# Altium PCB 机器人.PcbDoc (part 13 of 14)
Units mm, origin at the board's own origin, x right, y up, seen from the top; angles counter-clockwise.
Board outline 84 x 74 mm, 2 copper layers (Top Layer, Bottom Layer); 122 components, 143 nets, 23128 pads, 621 vias.
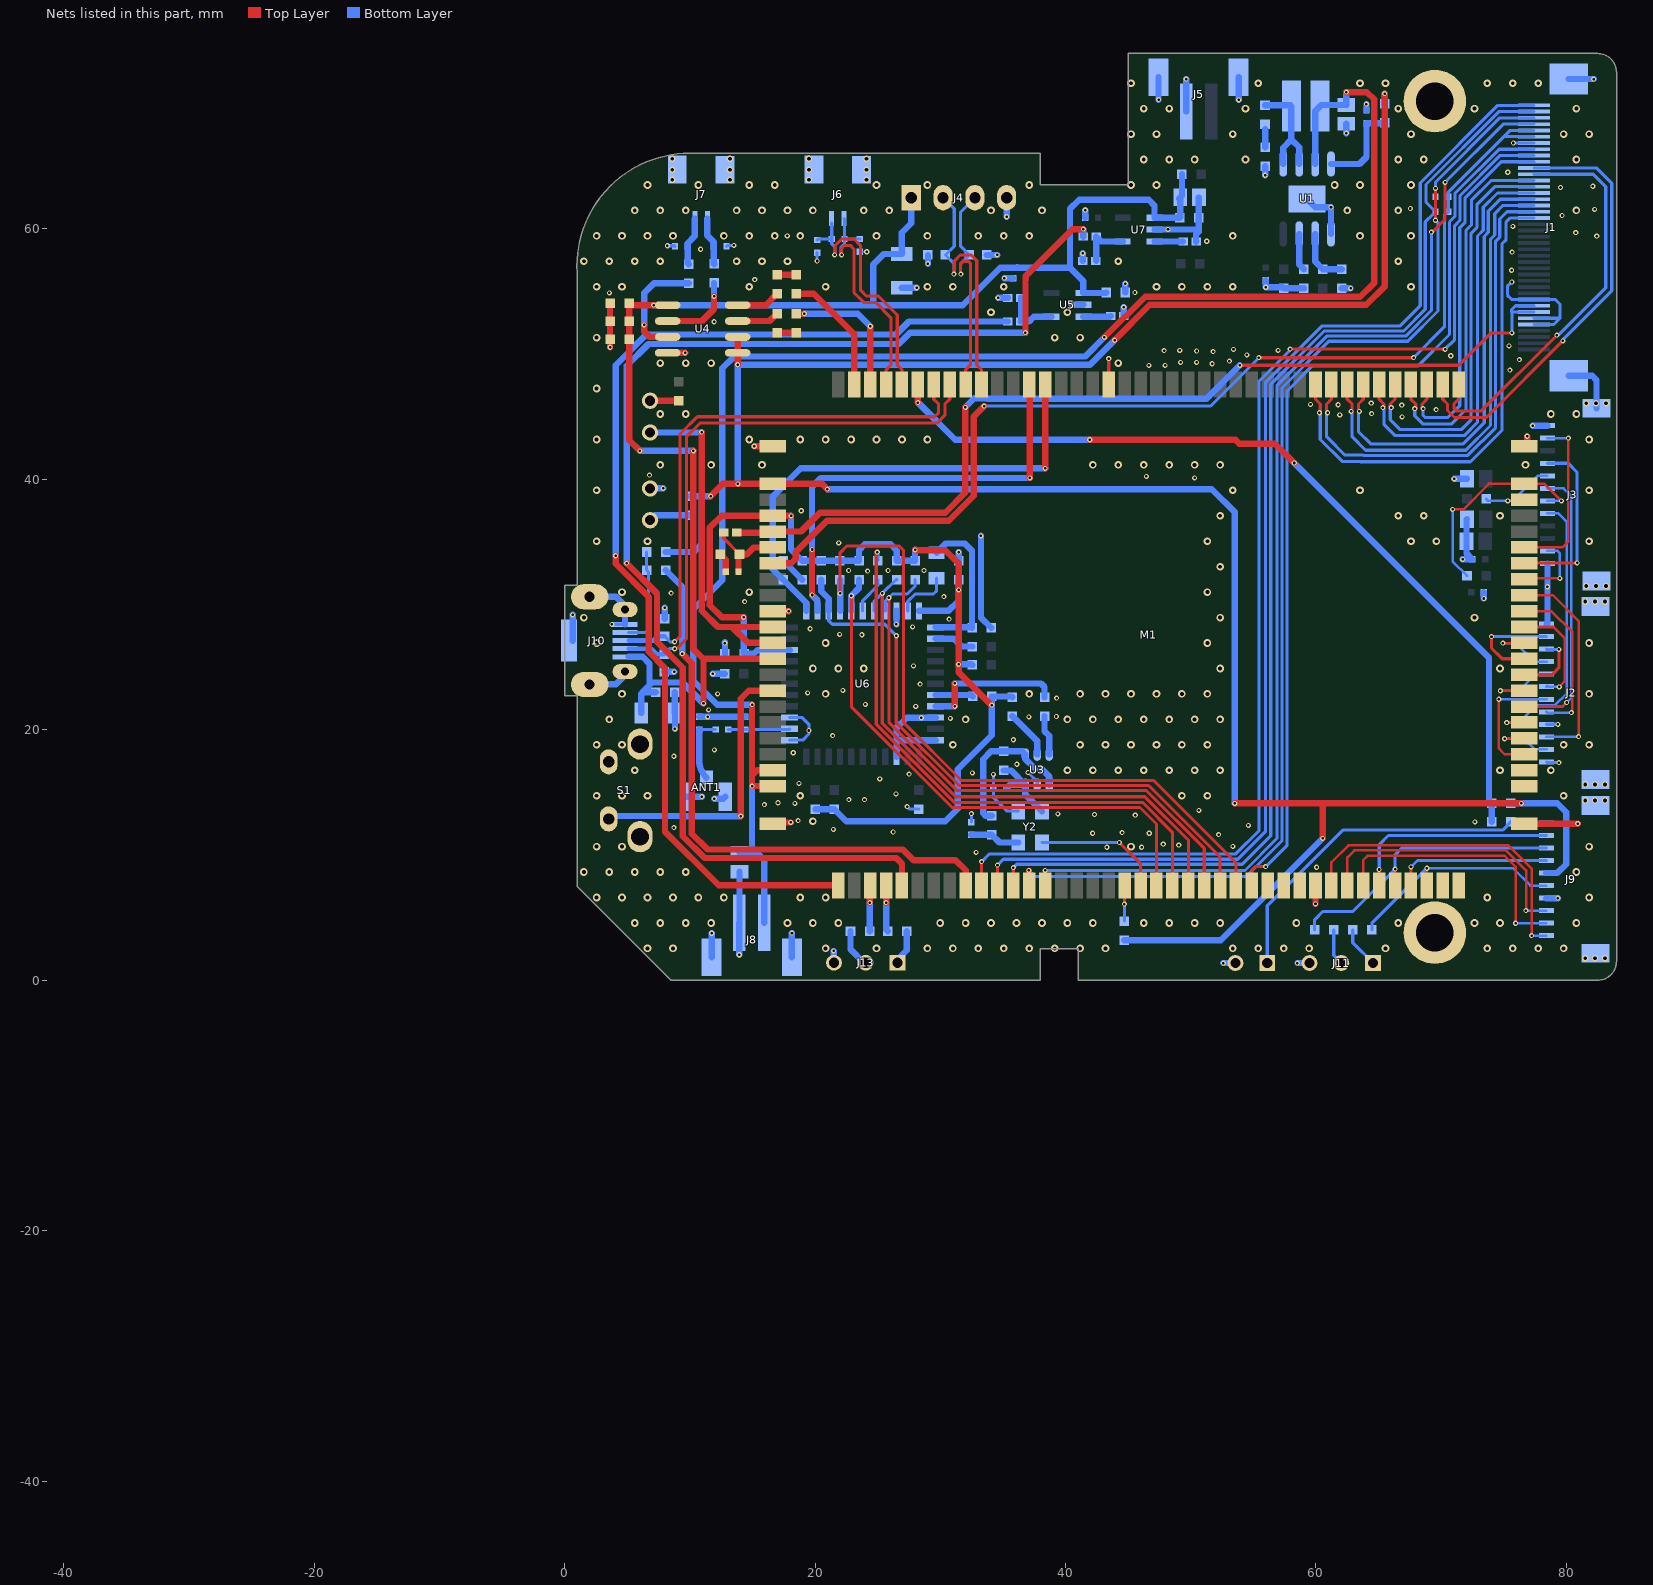
[diagram p13: the nets of this part, all layers, seen from the top]

## Via types
v1: diameter 0.406, hole 0.203, Top Layer to Bottom Layer, tented both sides, 327 vias
v2: diameter 0.61, hole 0.305, Top Layer to Bottom Layer, tented both sides, 264 vias
v3: diameter 0.508, hole 0.305, Top Layer to Bottom Layer, tented both sides, 30 vias

## Nets (pads, with @x,y where several pads share a name; then routed paths per layer and width w, separated by ;. In a path a pad name is that pad's centre, name@x,y a point inside that pad or via, vN(x,y) a via of type N, cw(c..) or ccw(c..) an arc to the next point about the centre after c; other vN are vias at no path point) (continued)
GND: ANT1.2 ANT1.3 C10.1 C11.2 C12.2 C13.2 C14.1 C15.2 C16.2 C17.2 C18.2 C19.2 C20.1 C22.2 C23.1 C24.2 C27.2 C29.2 C30.2 C31.2 C32.1 C33.2 C34.2 C35.2 C36.2 C37.1 C38.1 C40.2 C41.2 C42.2 C43.2 C44.1 C45.1 C46.1 C47.1 C48.2 C49.2 D6.2 D7.2 D11.K D12.1 D13.1 J1.5 J1.6 J1.9 J1.34 J1.41 J1.42 J2.1 J2.9 J2.12 J2.13 J2.14 J3.1 J3.12 J3.13 J3.14 J4.4 J5.1 J5.3 J5.4 J6.3 J6.4 J7.3 J7.4 J8.2 J8.3 J8.4 J9.7 J9.11 J9.12 J10.5 J10.6 J10.7 J10.8 J10.9 J10.10 J11.3 J12.2 J13.3 M1.9 M1.40 M1.51 M1.103 M1.121 M1.122 M1.123 M1.124 pad.0 R16.1 R18.1 R27.2 R30.1 R31.2 R37.2 RT2.1 RT3.1 RT6.1 RT7.1 S1.0 S1.1 U1.5 U1.9 U3.2 U4.8 U5.2 U6.1 U6.3 U6.20 U6.31 U6.33 U6.36 U7.2 Y2.2 Y2.4 | length 169
  Top Layer w0.254: M1.103@43.454,47.57 v1(43.454,49.632) ; v1(44.298,10.998) 45.994,9.302 M1.40@45.994,7.57
  Top Layer w0.508: v1(3.632,50.54) C34.2@3.632,51.187 C29.2@3.632,52.61 C33.2@3.632,54.057 ; U4.8@8.235,50.095 v1(9.633,50.095) ; R30.1@12.446,34.011 12.878,33.579 C40.2@12.878,32.614 ; v1(15.15,42.635) M1.121@16.629,42.635 ; M1.122@16.629,12.505 16.629,12.522 16.705,12.598 v1(18.059,12.598) ; M1.9@16.629,29.475 v1(17.896,29.475) ; v1(59.964,6.101) M1.51@59.964,7.57 ; M1.123@76.629,12.505 v1(80.907,12.505) ; M1.124@76.629,42.635 76.86,42.866 v1(76.86,43.434)
  Bottom Layer w0.152: C27.2@23.571,58.168 v1(24.13,58.168)
  Bottom Layer w0.254: v1(3.787,28.42) J10.5@4.83,28.42 ; v1(8.217,58.648) 8.771,58.648 C24.2@8.821,58.598 ; C30.2@12.936,58.598 13.012,58.673 v1(13.526,58.673) ; U6.1@17.978,19.17 19.018,19.17 19.507,19.66 v1(19.507,19.939) 19.507,20.447 18.984,20.97 U6.3@17.978,20.97 ; C23.1@20.171,58.083 20.171,57.433 v1(20.173,57.431) ; v1(27.356,13.868) 27.558,13.666 R27.2@28.29,13.666 ; C22.2@32.487,12.624 v1(32.487,13.31) ; v1(34.239,16.434) C31.2@34.239,15.303 34.239,14.605 35.344,13.5 Y2.2@36.225,13.5 ; v1(37.008,16.586) 37.744,15.85 U3.2@37.744,15.621 ; Y2.4@38.125,11 44.296,11 v1(44.298,10.998) ; v1(75.641,55.753) 75.286,55.397 75.286,54.703 75.631,54.358 J1.9@77.405,54.358 79.119,54.358 79.477,54 79.477,52.858 ; v1(75.768,66.853) 75.774,66.858 J1.34@77.405,66.858 ; J1.5@77.405,52.358 78.977,52.358 79.477,52.858 ; J1.6@77.405,52.858 79.477,52.858 ; J2.12@78.41,17.435 78.471,17.374 v1(79.4,17.374) ; J2.9@78.41,20.435 v1(79.311,20.435)
  Bottom Layer w0.508: J10.10@0.65,27.12 v1(0.65,29.17) ; J10.8@2.305,23.62 4.105,23.62 J10.6@5.13,24.645 ; J10.9@2.305,30.62 4.105,30.62 4.83,29.895 J10.7@4.83,29.595 J10.5@4.83,28.42 ; D11.K@6.833,39.27 v1(7.872,39.27) ; D13.1@7.95,24.625 v1(8.75,24.625) ; D12.1@7.988,28.867 v1(7.988,29.731) ; C44.1@8.814,22.987 8.814,21.34 C42.2@8.818,21.336 v1(8.818,20.062) ; ANT1.3@9.828,14.655 10.972,14.655 v1(10.973,14.656) ; C37.1@10.744,21.031 v1(11.43,21.031) C38.1@14.453,21.031 ; J8.4@11.751,1.847 v1(11.751,3.75) ; v1(11.836,24.46) R31.2@12.796,24.461 ; v1(11.963,14.503) 12.677,14.503 ANT1.2@12.828,14.655 ; v1(12.802,26.924) 12.802,26.985 12.809,26.993 C41.2@12.809,26.061 ; v1(13.951,2.032) J8.2@13.951,4.597 13.97,4.616 C36.2@13.97,8.66 ; R37.2@17.47,33.503 18.994,31.979 C49.2@18.994,31.967 ; J8.3@18.151,1.847 18.151,3.749 v1(18.161,3.759) ; v1(21.488,2.337) 21.488,1.422 J13.3@21.514,1.397 ; U6.36@26.503,17.845 26.503,19.152 ; v1(26.503,28.412) U6.20@26.503,29.495 ; C43.2@26.924,55.292 v1(28.114,55.292) ; v1(29.019,57.213) D6.2@29.019,57.912 ; U6.33@29.628,19.17 26.521,19.17 26.503,19.152 ; U6.31@29.628,20.97 27.32,20.97 26.503,20.153 26.503,19.152 ; C45.1@31.465,33.491 31.465,34.183 v1(31.471,34.188) ; v1(33.249,35.484) 33.249,28.956 C46.1@34.061,28.143 ; D7.2@33.718,57.912 v1(34.544,57.912) ; v1(34.62,54.483) RT2.1@35.408,54.483 ; v1(35.128,56.058) C32.1@35.827,56.058 ; v1(35.306,60.96) J4.4@35.306,62.484 ; v1(40.5,53.937) U5.2@41.427,53.937 ; RT6.1@41.377,57.447 v1(41.377,58.039) ; C47.1@41.58,60.884 v1(41.58,61.493) ; RT3.1@44.653,53.035 v1(44.653,53.746) ; C35.2@44.78,54.915 v1(44.78,55.626) ; U7.2@47.112,59.949 v1(48.184,59.949) 50.471,59.949 50.642,59.778 ; v1(47.432,70.317) J5.3@47.432,72.117 ; J5.1@49.632,69.367 v1(49.632,71.958) ; RT7.1@50.444,58.996 50.419,58.971 50.419,59.555 50.642,59.778 ; C10.1@50.661,62.501 50.642,62.483 C48.2@50.642,60.876 50.642,59.778 ; v1(52.603,1.372) J12.2@53.569,1.372 ; v1(53.832,70.298) J5.4@53.832,72.117 ; v1(55.944,64.275) C16.2@55.944,64.999 ; C17.2@55.994,55.893 v1(55.994,55.334) 57.34,55.334 C20.1@57.417,55.258 59.029,55.258 R16.1@59.042,55.245 ; v1(58.522,1.372) J11.3@59.487,1.372 ; U1.9@59.296,62.382 59.944,61.735 v1(61.201,61.735) U1.5@61.201,59.588 ; R18.1@62.065,55.245 v1(62.763,55.245) ; v1(62.433,67.64) C14.1@62.433,68.389 ; C15.2@64.033,69.444 v1(64.033,69.952) ; v1(71.044,40.03) C19.2@72.06,40.03 ; v1(71.704,33.604) C11.2@72.492,33.604 72.021,34.075 C18.2@72.021,35.052 72.021,36.767 C12.2@72.058,36.805 ; v1(73.406,30.48) C13.2@73.406,30.988 ; v1(77.298,44.278) J3.1@78.486,44.278 ; J9.7@78.401,6.559 79.318,6.559 v1(79.324,6.553) ; J2.1@78.41,28.435 78.486,28.511 v1(78.486,31.42) J3.12@78.486,33.278 ; J1.42@80.188,48.258 82.067,48.258 82.406,47.92 J3.13@82.406,45.678 ; J1.41@80.188,71.958 v1(82.169,71.958)
  other v1: 60.046,9.017 32.868,10.211 43.307,10.617 46.076,10.617 53.365,10.693 49.047,10.795 47.803,10.871 52.222,11.633 42.164,11.735 46.685,11.735 44.526,11.786 26.238,11.836 21.463,12.04 8.738,12.193 54.61,12.37 72.695,12.649 18.644,12.751 45.568,13.183 42.316,13.233 39.395,13.284 50.648,13.564 15.951,14.021 18.39,14.122 17.043,14.173 22.708,14.427 23.952,14.427 26.467,14.884 18.72,15.723 25.171,16.078 27.508,16.459 32.563,16.561 36.119,17.247 8.738,17.882 18.263,18.161 11.969,18.391 35.839,19.202 21.412,19.533 30.81,20.904 28.499,20.955 37.084,21.032 39.268,21.057 11.501,21.59 28.042,21.869 24.028,22.022 39.294,22.53 12.217,22.86 19.406,22.936 22.225,23.139 28.397,23.647 27.864,25.095 23.749,27.584 21.971,27.61 19.609,28.067 27.793,28.219 30.703,28.829 14.376,30.226 30.297,30.632 8.509,30.912 24.201,32.664 22.677,32.715 25.832,32.716 28.702,32.716 21.895,34.925 18.898,37.49 50.317,40.107 46.457,40.234 6.782,40.335 66.878,44.983 61.9,45.136 64.44,45.237 69.596,45.568 66.853,45.923 61.773,45.949 59.563,45.974 64.414,46.076 75.489,48.717 46.66,49.098 47.955,49.098 51.714,49.225 49.2,49.327 50.47,49.327 53.086,49.428 76.251,49.555 70.764,49.86 54.483,49.936 51.791,50.19 50.47,50.241 47.879,50.267 49.124,50.292 56.972,50.292 53.416,50.368 75.413,50.648 11.938,52.578 3.581,54.889 45.542,54.915 15.189,55.937 75.616,56.693 75.667,58.141 10.871,58.369 51.283,59.004 82.423,59.411 17.78,59.436 80.747,59.69 75.717,60.198 79.654,61.062 82.245,61.544 67.539,61.62 79.527,63.297 82.118,63.398 75.311,64.516
  other v2: 6.624,2.541 8.656,2.541 20.848,2.541 24.912,2.541 28.976,2.541 31.008,2.541 33.04,2.541 35.072,2.541 37.104,2.541 39.136,2.541 41.168,2.541 43.2,2.541 53.36,2.541 55.392,2.541 57.424,2.541 59.456,2.541 65.552,2.541 73.68,2.541 75.712,2.541 77.744,2.541 79.776,2.541 5.608,4.573 7.64,4.573 9.672,4.573 11.704,4.573 17.8,4.573 19.832,4.573 21.864,4.573 29.992,4.573 32.024,4.573 34.056,4.573 36.088,4.573 38.12,4.573 40.152,4.573 42.184,4.573 46.248,4.573 48.28,4.573 50.312,4.573 52.344,4.573 58.44,4.573 66.568,4.573 72.664,4.573 74.696,4.573 80.792,4.573 2.56,6.605 4.592,6.605 6.624,6.605 8.656,6.605 10.688,6.605 12.72,6.605 18.816,6.605 20.848,6.605 73.68,6.605 81.808,6.605 1.544,8.637 3.576,8.637 5.608,8.637 7.64,8.637 9.672,8.637 80.792,8.637 2.56,10.669 4.592,10.669 45.232,10.669 81.808,10.669 19.832,12.701 2.56,14.733 4.592,14.733 6.624,14.733 18.816,14.733 49.296,14.733 51.328,14.733 79.776,14.733 5.608,16.765 40.152,16.765 42.184,16.765 44.216,16.765 46.248,16.765 48.28,16.765 50.312,16.765 52.344,16.765 74.696,16.765 78.76,16.765 2.56,18.797 4.592,18.797 31.008,18.797 41.168,18.797 43.2,18.797 45.232,18.797 47.264,18.797 49.296,18.797 51.328,18.797 79.776,18.797 81.808,18.797 3.576,20.829 32.024,20.829 40.152,20.829 42.184,20.829 44.216,20.829 46.248,20.829 48.28,20.829 50.312,20.829 52.344,20.829 4.592,22.861 20.848,22.861 37.104,22.861 41.168,22.861 43.2,22.861 45.232,22.861 47.264,22.861 49.296,22.861 51.328,22.861 81.808,22.861 19.832,24.893 21.864,24.893 23.896,24.893 52.344,24.893 74.696,24.893 2.56,26.925 20.848,26.925 51.328,26.925 81.808,26.925 1.544,28.957 52.344,28.957 72.664,28.957 4.592,30.989 14.752,30.989 51.328,30.989 52.344,33.021 2.56,35.053 6.624,35.053 51.328,35.053 67.584,35.053 69.616,35.053 81.808,35.053 52.344,37.085 66.568,37.085 68.6,37.085 74.696,37.085 2.56,39.117 53.36,39.117 63.52,39.117 81.808,39.117 7.64,41.149 11.704,41.149 15.768,41.149 42.184,41.149 44.216,41.149 46.248,41.149 48.28,41.149 50.312,41.149 52.344,41.149 76.728,41.149 2.56,43.181 14.752,43.181 18.816,43.181 20.848,43.181 22.88,43.181 24.912,43.181 26.944,43.181 28.976,43.181 81.808,43.181 7.64,45.213 9.672,45.213 78.76,45.213 80.792,45.213 2.56,47.245 7.64,49.277 9.672,49.277 11.704,49.277 44.216,49.277 2.56,51.309 39.136,51.309 41.168,51.309 34.056,53.341 40.152,53.341 2.56,55.373 4.592,55.373 14.752,55.373 20.848,55.373 28.976,55.373 31.008,55.373 35.072,55.373 47.264,55.373 49.296,55.373 51.328,55.373 53.36,55.373 67.584,55.373 1.544,57.405 3.576,57.405 5.608,57.405 7.64,57.405 13.736,57.405 15.768,57.405 17.8,57.405 44.216,57.405 66.568,57.405 2.56,59.437 4.592,59.437 6.624,59.437 8.656,59.437 12.72,59.437 14.752,59.437 16.784,59.437 18.816,59.437 24.912,59.437 28.976,59.437 33.04,59.437 35.072,59.437 37.104,59.437 53.36,59.437 63.52,59.437 67.584,59.437 5.608,61.469 7.64,61.469 9.672,61.469 13.736,61.469 15.768,61.469 17.8,61.469 19.832,61.469 23.896,61.469 25.928,61.469 34.056,61.469 38.12,61.469 62.504,61.469 66.568,61.469 80.792,61.469 6.624,63.501 10.688,63.501 14.752,63.501 16.784,63.501 24.912,63.501 28.976,63.501 37.104,63.501 45.232,63.501 47.264,63.501 61.488,63.501 63.52,63.501 67.584,63.501 46.248,65.533 48.28,65.533 50.312,65.533 54.376,65.533 66.568,65.533 68.6,65.533 80.792,65.533 45.232,67.565 47.264,67.565 53.36,67.565 67.584,67.565 79.776,67.565 81.808,67.565 46.248,69.597 48.28,69.597 54.376,69.597 66.568,69.597 72.664,69.597 80.792,69.597 45.232,71.629 55.392,71.629 63.52,71.629 65.552,71.629 73.68,71.629 75.712,71.629 77.744,71.629
  other v3: 81.501,1.759 82.281,1.759 83.081,1.759 81.501,14.359 82.281,14.359 83.081,14.359 81.51,15.635 82.29,15.635 83.09,15.635 81.51,30.235 82.29,30.235 83.09,30.235 81.586,31.478 82.366,31.478 83.166,31.478 81.586,46.078 82.366,46.078 83.166,46.078 8.605,63.919 13.205,63.919 19.514,63.919 24.114,63.919 8.605,64.719 13.205,64.719 19.514,64.719 24.114,64.719 8.605,65.599 13.205,65.599 19.514,65.599 24.114,65.599
HOST2_5V: C10.2 C29.1 C33.1 C34.1 C35.1 C42.1 C43.1 C44.2 C48.1 J4.1 J10.1 L3.2@49.301,64.356 M1.12 U4.5 U5.1 U7.1 | length 125.7
  Top Layer w0.508: v1(6.02,42.266) 5.156,43.129 C34.1@5.156,51.187 C29.1@5.156,52.61 5.156,53.753 5.308,53.905 v1(7.112,53.905) U4.5@8.235,53.905 ; v1(10.287,42.266) 10.287,26.442 11.064,25.665 ; v1(11.095,22.098) 11.095,25.634 11.064,25.665 ; M1.12@16.629,25.665 11.064,25.665
  Bottom Layer w0.508: J10.1@5.13,25.82 6.232,25.82 6.782,25.27 6.782,23.6 ; v1(6.02,42.266) v1(10.287,42.266) ; C42.1@6.118,21.336 6.118,22.882 6.223,22.987 ; v1(7.112,53.905) 24.632,53.905 24.638,53.899 ; C44.2@7.29,22.987 6.223,22.987 ; v1(11.095,22.098) 9.418,23.774 6.956,23.774 6.782,23.6 ; J4.1@27.686,62.484 27.686,60.452 26.924,59.69 C43.1@26.924,57.992 25.48,57.992 24.638,57.15 24.638,53.899 ; 36.14,56.918 36.119,56.896 ; C35.1@43.256,54.915 43.218,54.877 U5.1@41.427,54.877 41.427,55.829 40.361,56.896 ; C10.2@49.067,62.408 C10.2@49.161,62.501 ; L3.2@49.301,64.356 49.301,62.642 C10.2@49.161,62.501 ; 6.223,22.987 6.782,23.546 6.782,23.6 ; 24.638,53.899 31.801,53.899 34.798,56.896 36.119,56.896 ; 36.119,56.896 40.361,56.896 ; 40.361,56.896 40.361,61.596 41.097,62.332 46.635,62.332 47.112,61.855 U7.1@47.112,60.889 49.106,60.889 C48.1@49.118,60.876 49.161,60.919 C10.2@49.161,62.501
HPL: C26.1 M1.118 | length 11
  Top Layer w0.508: C26.1@18.491,53.219 v1(19.146,53.219) ; M1.118@24.404,47.57 24.409,47.575 v1(24.409,52.222)
  Bottom Layer w0.508: v1(19.146,53.219) 23.413,53.219 v1(24.409,52.222)
HPR: C28.1 M1.119 | length 10
  Top Layer w0.508: C28.1@18.517,54.806 19.895,54.806 23.134,51.567 M1.119@23.134,47.57
LCD-BL-EN: J1.33 M1.47 | length 75.2
  Top Layer w0.254: M1.47@54.884,7.57 54.884,8.788 55.164,9.068 v1(55.982,9.068)
  Bottom Layer w0.254: v1(55.982,9.068) 57.696,10.782 57.696,47.053 59.677,49.035 68.135,49.035 70.663,51.562 70.663,60.554 71.095,60.985 71.095,62.821 74.632,66.358 J1.33@77.405,66.358
LCD-PWM: J1.32 M1.30 | length 97
  Top Layer w0.254: M1.30@33.294,7.57 33.294,9.469 v1(33.299,9.474) ; v1(57.937,50.394) 70.282,50.394 v1(70.307,50.368)
  Bottom Layer w0.254: v1(33.299,9.474) 33.896,10.071 38.791,10.071 38.804,10.084 53.603,10.084 55.448,11.929 55.448,47.832 57.937,50.321 v1(57.937,50.394) ; v1@70.294,50.381 71.069,51.156 71.069,60.249 71.501,60.681 71.501,62.652 74.707,65.858 J1.32@77.405,65.858
LCDS0_VN3: J1.29 M1.81 | length 32.6
  Top Layer w0.254: M1.81@71.394,47.57 71.394,46.393 71.013,46.012 71.013,45.7 71.272,45.441 73.171,45.441 v1(79.245,51.514)
  Bottom Layer w0.254: J1.29@77.405,64.358 78.802,64.358 78.806,64.354 82.153,64.354 83.134,63.373 83.134,55.296 79.353,51.514 v1(79.245,51.514)
LCDS0_VP3: J1.30 M1.82 | length 35.1
  Top Layer w0.254: M1.82@70.124,47.57 70.124,46.393 70.505,46.012 70.505,45.489 71.062,44.933 73.597,44.933 v1(79.712,51.047)
  Bottom Layer w0.254: J1.30@77.405,64.858 78.802,64.858 78.806,64.862 82.382,64.862 83.621,63.623 83.621,55.064 79.712,51.155 v1(79.712,51.047)
LRADC0: M1.115 R32.2 R35.1 | length 68.7
  Top Layer w0.508: M1.115@28.214,47.57 28.214,46.132 v1(28.219,46.126) ; v1(41.935,43.155) 53.576,43.155 53.881,42.85 56.718,42.85 v1(58.268,41.3)
  Bottom Layer w0.508: v1(28.219,46.126) 31.191,43.155 v1(41.935,43.155) ; v1(58.268,41.3) 73.812,25.756 73.812,14.351 R32.2@74.041,14.122 R35.1@74.041,12.649
LVDS0_VN0: J1.23 M1.89 | length 39.2
  Top Layer w0.254: v1(60.929,45.314) 60.853,45.39 60.853,46.012 61.234,46.393 M1.89@61.234,47.57
  Bottom Layer w0.254: v1(60.929,45.314) 60.853,45.237 60.853,43.383 62.301,41.935 63.763,41.935 63.789,41.91 72.132,41.91 74.346,44.124 74.346,59.009 74.676,59.339 74.676,60.787 75.252,61.362 76.004,61.362 76.008,61.358 J1.23@77.405,61.358
LVDS0_VN1: J1.25 M1.87 | length 36.2
  Top Layer w0.254: v1(63.469,45.415) 63.393,45.491 63.393,46.012 63.774,46.393 M1.87@63.774,47.57
  Bottom Layer w0.254: v1(63.469,45.415) 63.393,45.339 63.393,43.795 64.364,42.824 71.753,42.824 73.431,44.503 73.431,59.387 73.762,59.718 73.762,61.417 74.703,62.358 J1.25@77.405,62.358
LVDS0_VN2: J1.27 M1.85 | length 32.7
  Top Layer w0.254: v1(66.009,45.72) 65.933,45.796 65.933,46.012 66.314,46.393 M1.85@66.314,47.57
  Bottom Layer w0.254: v1(66.009,45.72) 65.933,45.644 65.933,44.765 66.731,43.967 71.603,43.967 72.39,44.755 72.39,59.639 72.847,60.096 72.847,61.925 74.288,63.366 77.397,63.366 J1.27@77.405,63.358
LVDS0_VNC: J1.31 M1.83 | length 29.5
  Top Layer w0.254: v1(68.549,45.644) 68.473,45.72 68.473,46.012 68.854,46.393 M1.83@68.854,47.57
  Bottom Layer w0.254: v1(68.549,45.644) 68.549,45.116 68.732,44.933 70.536,44.933 71.476,45.872 71.476,60.08 71.907,60.512 71.907,62.484 74.782,65.358 J1.31@77.405,65.358
LVDS0_VP0: J1.22 M1.90 | length 40
  Top Layer w0.254: M1.90@59.964,47.57 59.964,46.393 60.345,46.012 60.345,45.39 v1(60.269,45.314)
  Bottom Layer w0.254: v1(60.269,45.314) 60.345,45.237 60.345,43.173 62.091,41.427 63.553,41.427 63.578,41.402 72.342,41.402 74.854,43.914 74.854,58.798 75.184,59.128 75.184,60.554 75.489,60.858 J1.22@77.405,60.858
LVDS0_VP1: J1.24 M1.88 | length 37.2
  Top Layer w0.254: M1.88@62.504,47.57 62.504,46.393 62.885,46.012 62.885,45.491 v1(62.809,45.415)
  Bottom Layer w0.254: v1(62.809,45.415) 62.885,45.339 62.885,43.388 63.957,42.316 71.963,42.316 73.939,44.293 73.939,59.177 74.27,59.507 74.27,61.207 74.921,61.858 J1.24@77.405,61.858
LVDS0_VP2: J1.26 M1.86 | length 33.6
  Top Layer w0.254: M1.86@65.044,47.57 65.044,46.393 65.425,46.012 65.425,45.796 v1(65.349,45.72)
  Bottom Layer w0.254: v1(65.349,45.72) 65.425,45.644 65.425,44.397 66.338,43.485 71.838,43.485 72.898,44.544 72.898,59.429 73.355,59.886 73.355,61.715 74.499,62.858 J1.26@77.405,62.858
LVDS0_VPC: J1.28 M1.84 | length 30.1
  Top Layer w0.254: M1.84@67.584,47.57 67.584,46.393 67.965,46.012 67.965,45.72 v1(67.889,45.644)
  Bottom Layer w0.254: v1(67.889,45.644) 67.889,45.058 68.522,44.425 70.841,44.425 71.984,45.568 71.984,59.87 72.415,60.302 72.415,62.274 74,63.858 J1.28@77.405,63.858
MCLK-IN: R20.1 U6.30 | length 11.5
  Top Layer w0.508: v1(31.166,21.869) v1(31.166,23.698)
  Bottom Layer w0.508: U6.30@29.628,21.87 v1(31.166,21.869) ; v1(31.166,23.698) 38.049,23.698 38.329,23.419 R20.1@38.329,22.606
MIC+: C23.2 C25.1 J6.1 M1.116 | length 20.1
  Top Layer w0.254: v1(21.565,57.912) 21.59,57.937 21.59,58.63 22.144,59.184 23.112,59.184 23.622,58.674 23.622,55.118 24.105,54.635 25.044,54.635 26.563,53.117 26.563,49.128 26.944,48.747 M1.116@26.944,47.57
  Bottom Layer w0.254: C23.2@20.168,59.108 20.244,59.184 C25.1@21.336,59.184 ; J6.1@21.336,60.452 C25.1@21.336,59.184 ; v1(21.565,57.912) 21.59,57.937 21.59,58.549 21.336,58.803 C25.1@21.336,59.184
MIC-: C25.2 C27.1 J6.2 M1.117 | length 18.8
  Top Layer w0.254: v1(22.123,57.912) 22.098,57.937 22.098,58.42 22.354,58.676 22.809,58.676 23.114,58.371 23.114,54.908 23.894,54.127 24.834,54.127 26.055,52.906 26.055,49.128 25.674,48.747 M1.117@25.674,47.57
  Bottom Layer w0.254: v1(22.123,57.912) 22.098,57.937 22.098,58.549 22.352,58.803 C25.2@22.352,59.184 ; J6.2@22.314,60.819 22.352,60.781 C25.2@22.352,59.184 ; C27.1@23.571,59.184 C25.2@22.352,59.184
NetANT1_1: ANT1.1 C37.2 C39.2 | length 5.3
  Bottom Layer w0.254: C37.2@10.744,20.015 C39.2@12.06,20.016
  Bottom Layer w0.508: C37.2@10.744,20.015 10.744,17.59 ccw(c12.739,17.59) ANT1.1@11.328,16.18
NetC15_1: C15.1 R14.1 U1.4 | length 7.2
  Bottom Layer w0.508: U1.4@61.201,65.176 63.475,65.176 64.033,65.735 C15.1@64.033,68.428 65.43,68.428 R14.1@65.481,68.478
NetC16_1: C16.1 R15.1 | length 1.4
  Bottom Layer w0.508: C16.1@55.944,66.523 55.944,67.958
NetC22_1: C22.1 R19.2 Y2.1 | length 4
  Bottom Layer w0.508: C22.1@32.487,11.608 34.1,11.608 R19.2@34.112,11.62 34.733,11 Y2.1@36.225,11
NetC24_1: C24.1 J7.1 L3.1@9.914,57.175 | length 3.9
  Bottom Layer w0.508: L3.1@9.914,57.175 9.837,57.252 C24.1@9.837,58.598 9.837,58.859 10.405,59.427 J7.1@10.405,60.819
NetC26_2: C26.2 R23.1 | length 1.5
  Top Layer w0.508: R23.1@16.967,51.707 16.98,51.695 C26.2@18.491,51.695
NetC28_2: C28.2 R24.1 | length 1.6
  Top Layer w0.508: R24.1@16.967,56.343 16.98,56.33 C28.2@18.517,56.33
NetC30_1: C30.1 J7.2 L4.1 | length 3.9
  Bottom Layer w0.508: J7.2@11.405,60.819 11.405,59.461 11.92,58.946 C30.1@11.92,58.598 11.92,57.201 L4.1@11.946,57.175
NetC31_1: C31.1 R22.1 U3.3 Y2.3 | length 6.5
  Bottom Layer w0.508: R22.1@35.077,16.751 35.664,16.751 U3.3@36.794,15.621 ; C31.1@35.255,15.303 35.573,15.621 U3.3@36.794,15.621 ; Y2.3@38.125,13.5 36.794,14.831 U3.3@36.794,15.621
NetC38_2: C38.2 C39.1 U6.2 | length 4.9
  Bottom Layer w0.254: C39.1@13.076,20.016 C38.2@14.453,20.015 ; C38.2@14.453,20.015 17.923,20.015 U6.2@17.978,20.07
NetC46_2: C46.2 L5.2 U6.23 | length 12.4
  Bottom Layer w0.508: U6.23@29.628,28.17 32.511,28.17 C46.2@32.537,28.143 32.537,34.29 31.953,34.874 30.449,34.874 L5.2@29.713,34.138
NetD10_K: D10.K R28.1 | length 2.3
  Top Layer w0.508: D10.K@6.833,46.27 9.11,46.27 R28.1@9.119,46.279
NetD11_A: D11.A R33.1 | length 3.4
  Bottom Layer w0.508: D11.A@6.833,36.73 7.237,37.135 R33.1@10.033,37.135
NetJ9_1: J9.1 J12.1 R35.2 | length 29.7
  Bottom Layer w0.254: J12.1@56.109,1.372 56.109,5.944 62.154,11.989 74.905,11.989 R35.2@75.565,12.649 75.655,12.559 J9.1@78.401,12.559
NetJ10_4: J10.4 R38.2 R39.1 | length 7.9
  Bottom Layer w0.254: J10.4@5.13,27.77 6.485,27.77 6.706,27.991 6.706,32.595 R38.2@6.553,32.747 R39.1@6.553,34.194
NetJ11_1: J11.1 R2.2 | length 3.3
  Bottom Layer w0.254: R2.2@62.941,4.013 62.941,2.997 J11.1@64.567,1.372
NetJ11_2: J11.2 R1.2 | length 2.9
  Bottom Layer w0.254: R1.2@61.417,4.013 61.417,1.981 J11.2@62.027,1.372
NetJ13_1: J13.1 R4.2 | length 2.8
  Bottom Layer w0.508: J13.1@26.594,1.397 26.594,1.651 27.33,2.388 R4.2@27.33,3.912
NetJ13_2: J13.2 R3.2 | length 3.1
  Bottom Layer w0.508: R3.2@22.835,3.912 22.835,2.464 23.901,1.397 J13.2@24.054,1.397
NetL1_2: L1.2 R15.2 U1.1 U1.2 | length 9.2
  Bottom Layer w0.508: R15.2@55.931,69.875 57.963,69.875 L1.2@58.039,69.799 58.039,67.132 ; U1.1@57.391,65.176 57.391,66.484 58.039,67.132 ; U1.2@58.661,65.176 58.661,66.51 58.039,67.132
NetL3_2: L3.2@9.914,55.651 U4.7 | length 9
  Top Layer w0.508: v1(6.35,52.324) 6.35,51.816 6.801,51.365 U4.7@8.235,51.365
  Bottom Layer w0.508: v1(6.35,52.324) 6.35,54.864 7.137,55.651 L3.2@9.914,55.651
NetL4_2: L4.2 U4.6 | length 6.2
  Top Layer w0.508: U4.6@8.235,52.635 10.979,52.635 11.938,53.594 v1(11.938,54.61)
  Bottom Layer w0.508: v1(11.938,54.61) L4.2@11.938,55.676
NetL5_1: L5.1 U6.21 | length 4.4
  Bottom Layer w0.254: U6.21@27.403,29.495 27.403,30.248 27.991,30.836 29.464,30.836 29.713,31.084 L5.1@29.713,32.106